# Altium PCB 2440PCBV8.PcbDoc (part 1 of 4) (continued)
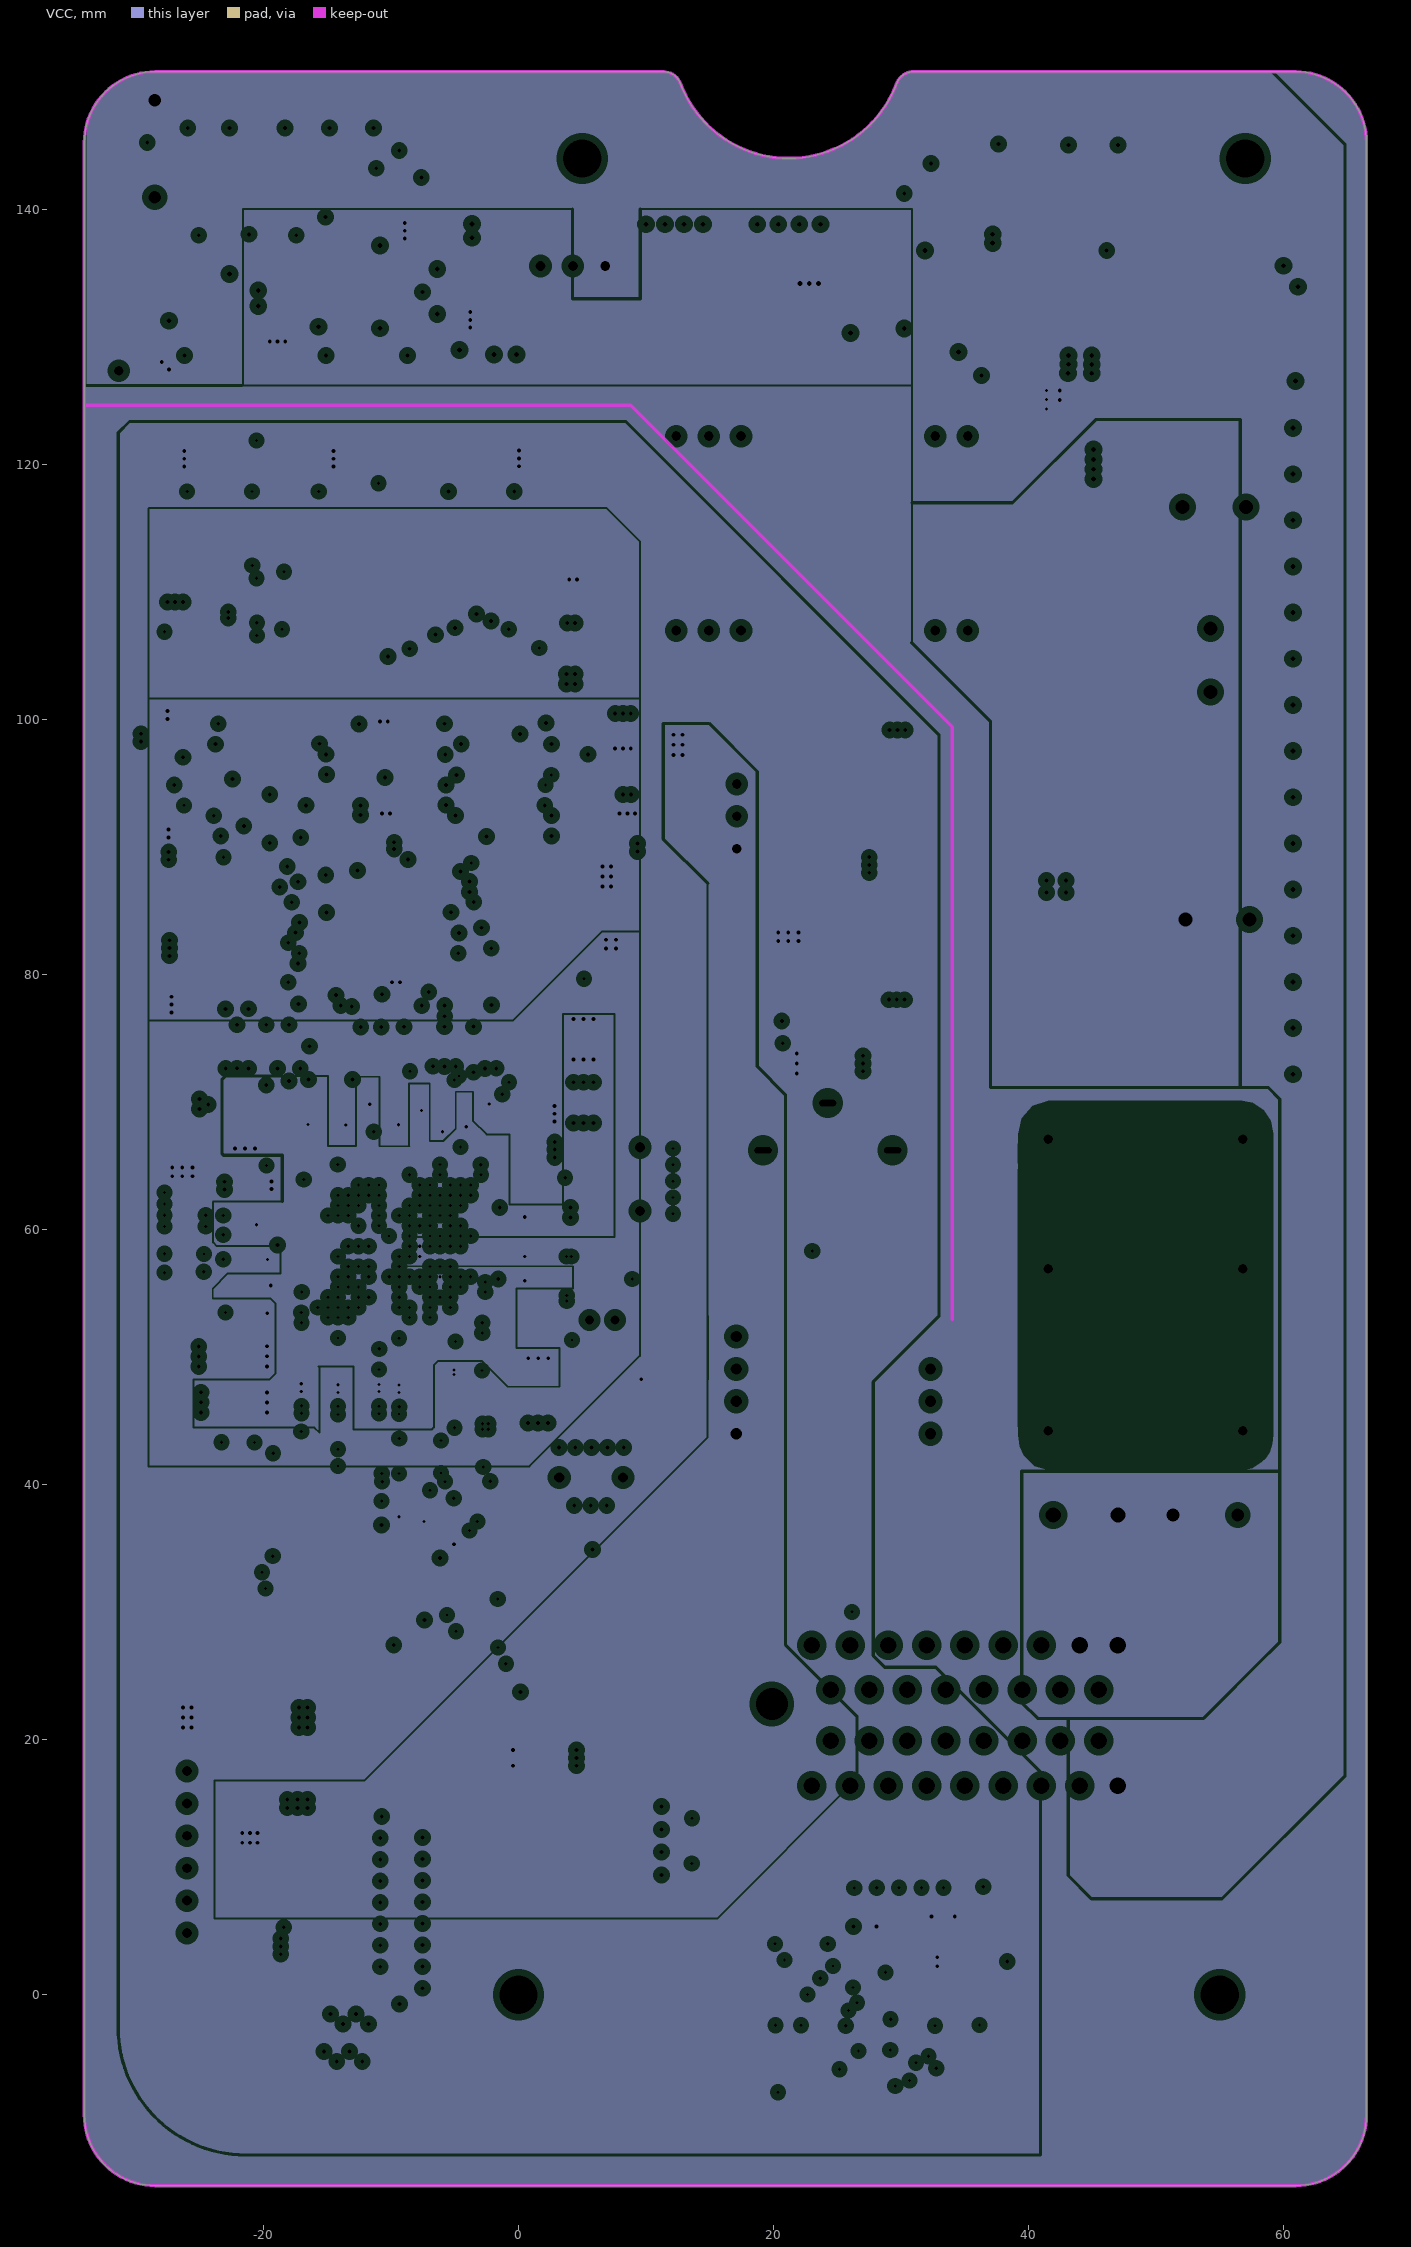
[diagram p4: VCC, clearances drawn from the general rule]
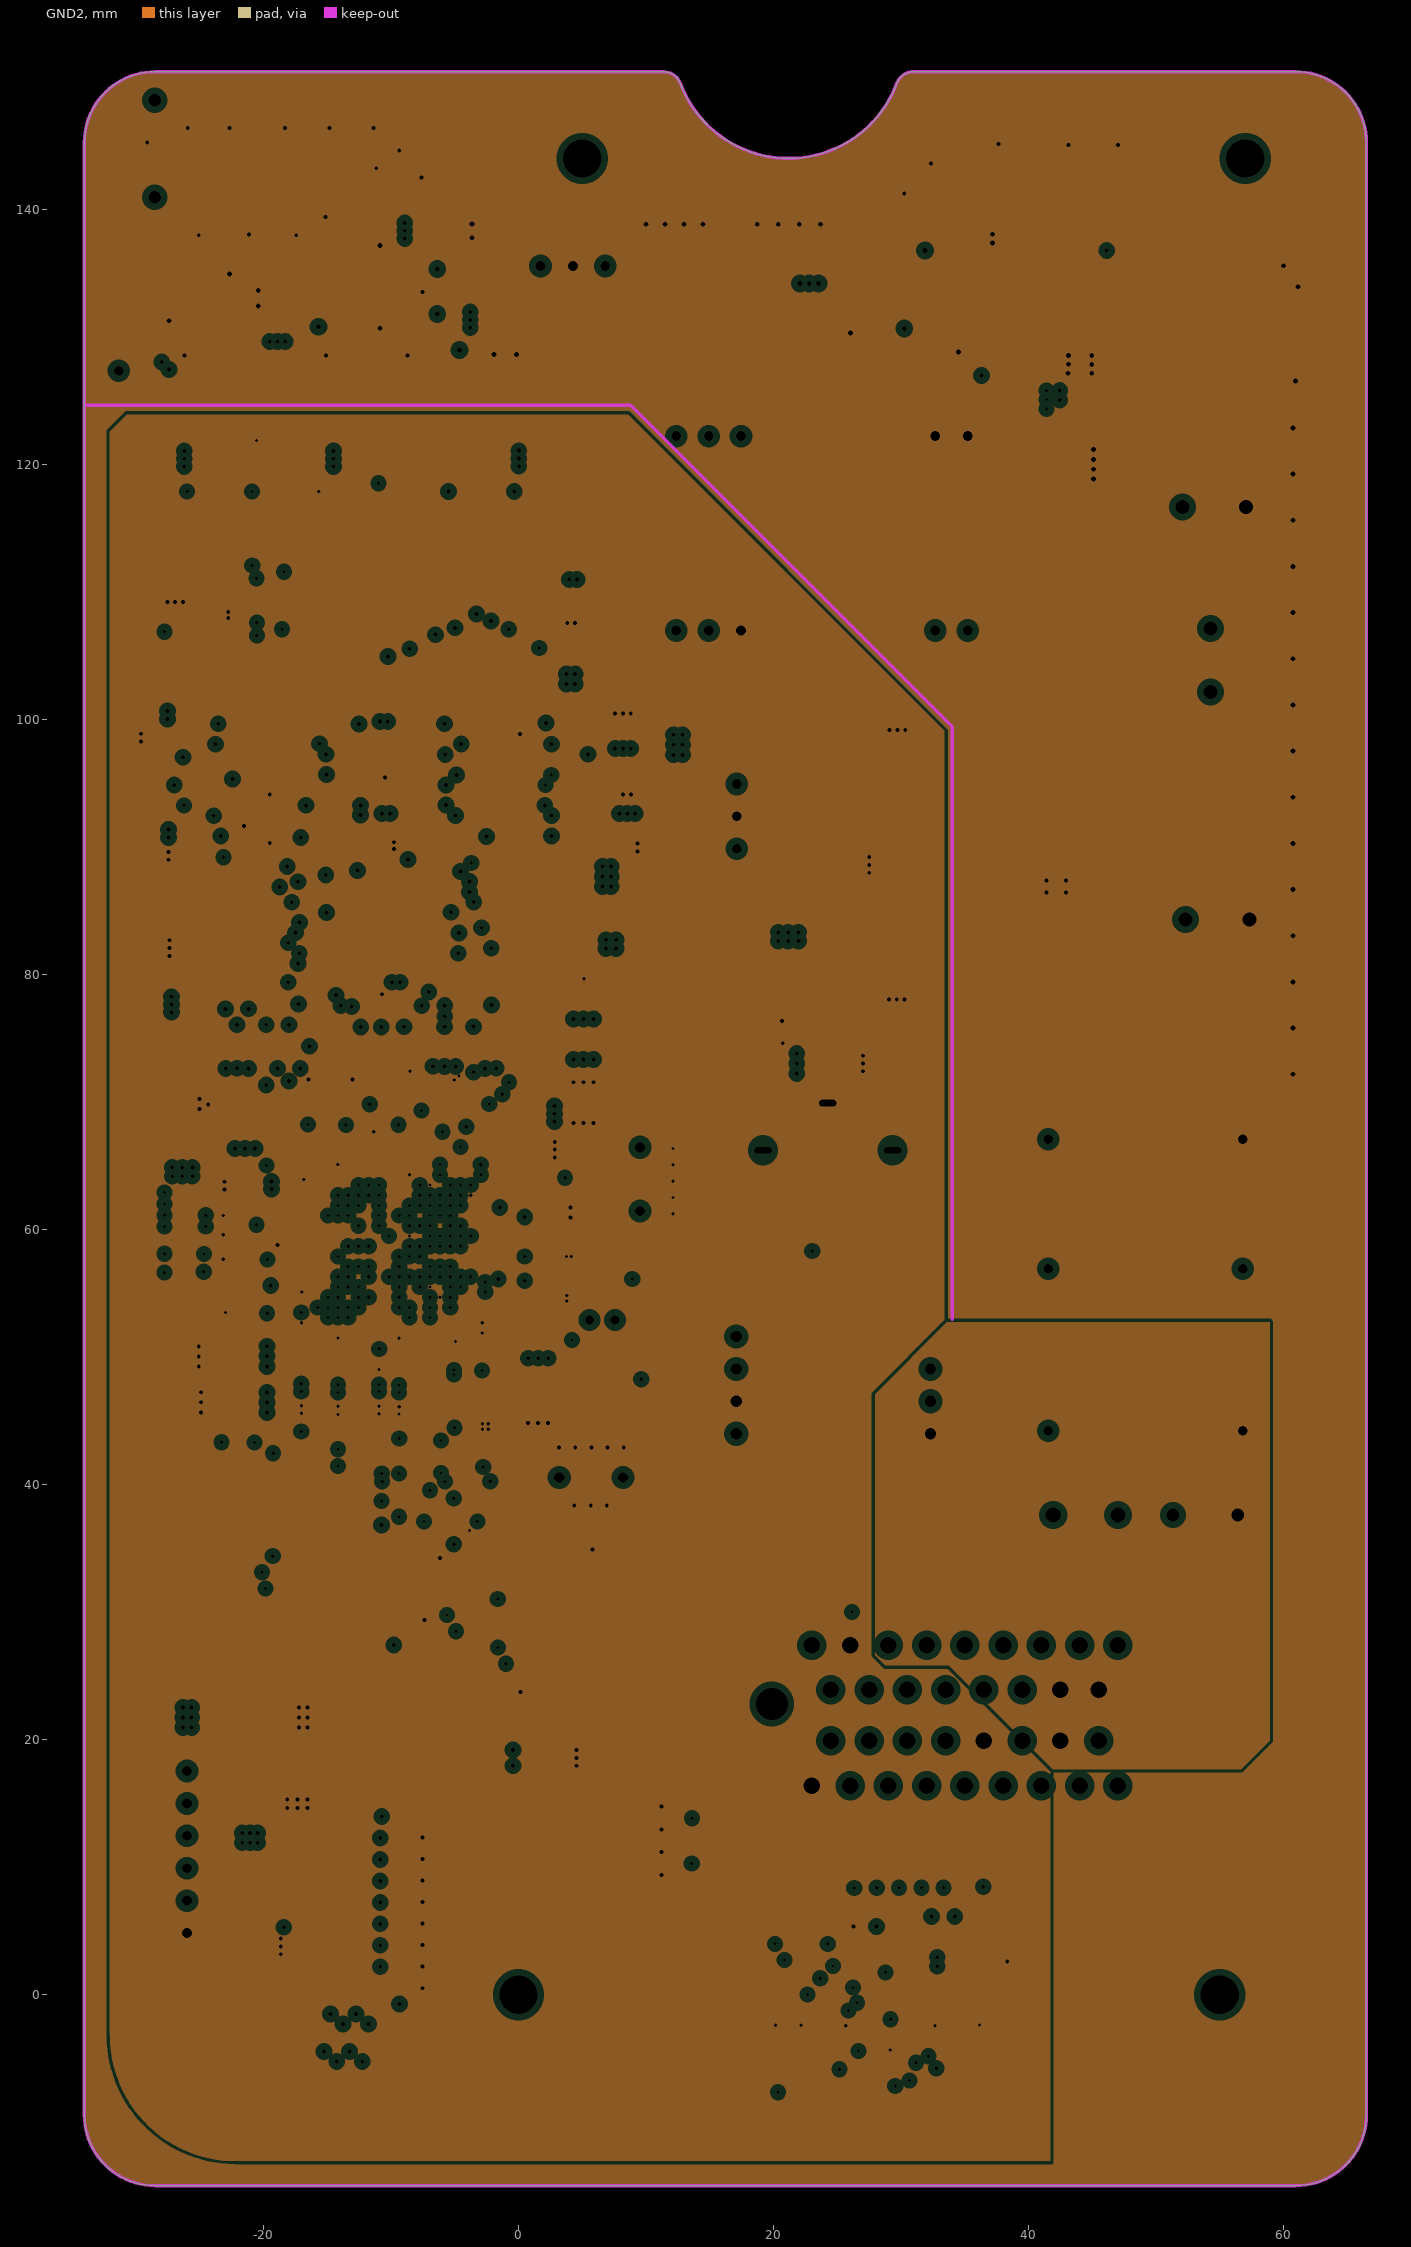
[diagram p5: GND2, clearances drawn from the general rule]
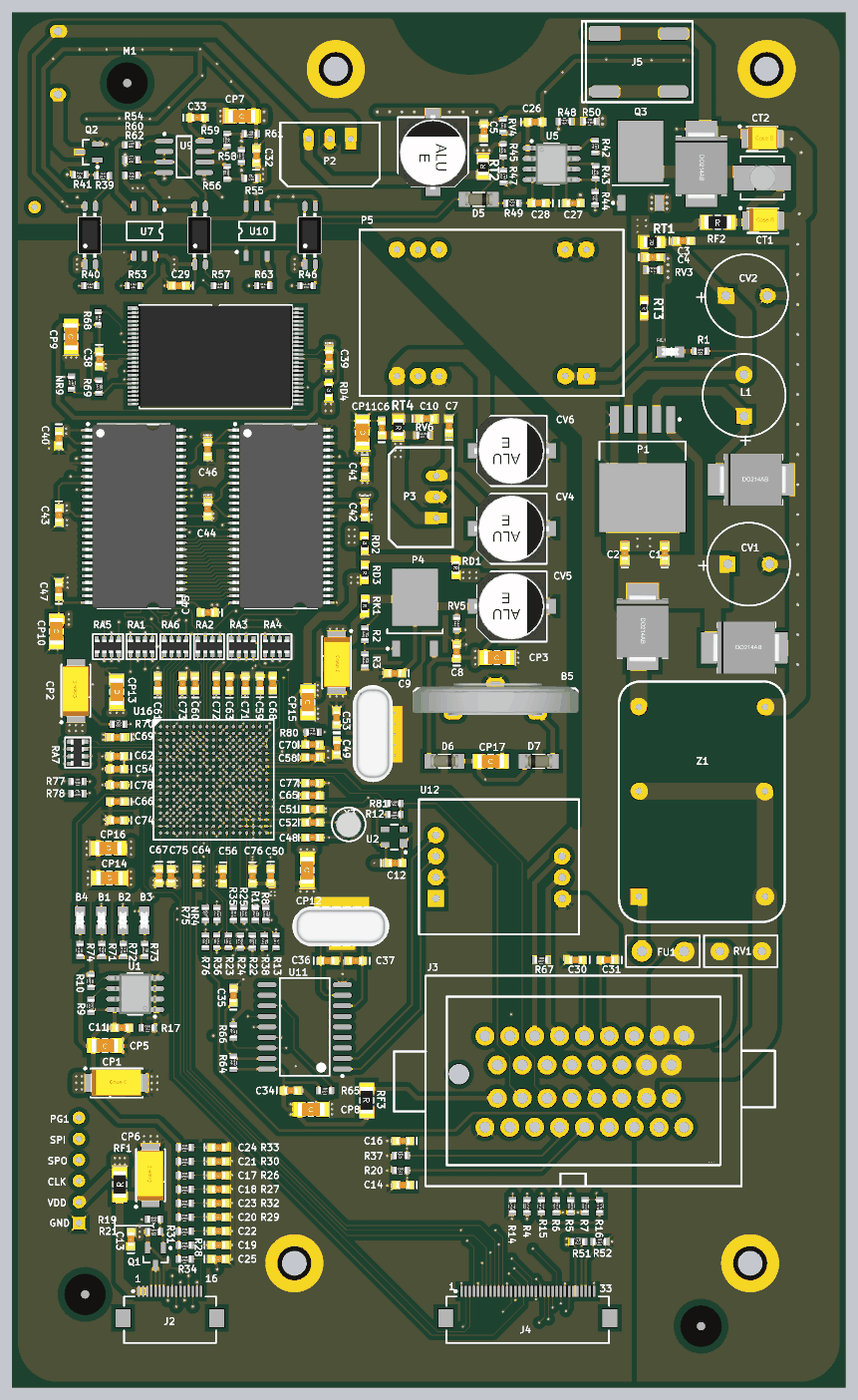
[diagram p9: 3D render of the assembled board from above, using the file's embedded part models]

## Layer stack, top to bottom
Top Layer: signal copper 0.0254
Dielectric: core 0.24, FR-4, Dk 4.8
GND1: plane copper 0.0356, net (Multiple Nets)
Dielectric: prepreg 0.46, FR-4, Dk 4.8
SIG1: signal copper 0.0254
Dielectric: core 0.36, FR-4, Dk 4.8
VCC: plane copper 0.0356, net (Multiple Nets)
Dielectric: prepreg 0.32, FR-4, Dk 4.8
GND2: plane copper 0.0356, net (Multiple Nets)
Dielectric: core 0.24, FR-4, Dk 4.8
Bottom Layer: signal copper 0.0254

## Board outline
-34.047,-9.425 -34.047,145.243 cw(c-28.491,145.243) -28.491,150.8 11.389,150.8 11.389,150.793 cw(c11.389,149.411) 12.686,149.888 12.694,149.886 ccw(c21.179,153.067) 29.696,149.971 29.701,149.969 cw(c30.963,149.428) 31.013,150.8 60.947,150.8 60.947,150.801 cw(c60.947,145.249) 66.499,145.249 66.499,-9.433 cw(c60.956,-9.433) 60.956,-14.976 60.956,-14.975 -28.498,-14.975 cw(c-28.498,-9.425)

## Design rules (kind name [scope] priority, off if disabled: settings)
Clearance Clearance_Polygn [InPolygon] p1: gap=0.55
Clearance Clearance_VCC [(InNet('VCC5V') OR InNet('VCC12V') OR InNet('VCC24V'))] p2: gap=0.305
Clearance [All] p3: gap=0.254
ComponentClearance ComponentClearance_1 [(HasFootprint('BAT600') OR HasFootprint('Buz'))] p1: gap=0 collisioncheckmode=3 verticalgap=2540 showdistances=TRUE
ComponentClearance BGA [IsBGA] p2: gap=3.048 collisioncheckmode=3 verticalgap=3.048 showdistances=TRUE
ComponentClearance 0603 [(HasFootprint('1608[0603]') OR HasFootprint('2012[0805]'))] p3: gap=0.508 collisioncheckmode=3 verticalgap=0.508 showdistances=TRUE
ComponentClearance LED [HasFootprint('LED')] p4: gap=0.508 collisioncheckmode=3 verticalgap=0.508 showdistances=TRUE
ComponentClearance 0603R [HasFootprint('0603R') vs HasFootprint('0603R')] p5: gap=0.254 collisioncheckmode=3 verticalgap=0.254 showdistances=TRUE
ComponentClearance [All] p6: gap=0.762 collisioncheckmode=3 verticalgap=0.762 showdistances=TRUE
DiffPairsRouting [All] p1: maxlimit=0.254 minlimit=0.254 mostfreqgap=0.254 maxuncoupledlength=12.7
FanoutControl Fanout_BGA [IsBGA] p1: bgadir=Out bgaviamode=Centered fanoutstyle=BGA fanoutdirection=Alternating viagrid=0.025 // Fanout_BGA (Default Rule)
MatchedLengths [All] p1: tolerance=25.4 checknetsindiffpair=TRUE checkdiffpairvsdiffpair=TRUE checkothers=TRUE
PlaneClearance [All] p1: clearance=0.508
PlaneConnect PlaneConnect_1 [Isvia] p1: planeconnectstyle=Direct reliefexpansion=0.508 reliefentries=4 reliefconductorwidth=0.254 reliefairgap=0.254
PlaneConnect [All] p2: planeconnectstyle=Relief reliefexpansion=0.508 reliefentries=4 reliefconductorwidth=0.254 reliefairgap=0.254
PolygonConnect ViaConnect [Isvia] p1: connectstyle=Direct reliefconductorwidth=0.254 reliefentries=4 polygonreliefangle="45 Angle" airgapwidth=0.254 // 过孔全连接
PolygonConnect PadConnect [IsPad] p2: connectstyle=Relief reliefconductorwidth=0.254 reliefentries=4 polygonreliefangle="45 Angle" airgapwidth=0.254 // 热焊盘
PolygonConnect [All] p3: connectstyle=Relief reliefconductorwidth=0.254 reliefentries=4 polygonreliefangle="90 Angle" airgapwidth=0.254
RoomDefinition Main [InComponentClass('Main')] p1 off: confinementstyle=ConfineIn formatcopy=TRUE lockcomponents=FALSE outline -89.699,-68.086 -38.899,-68.086 -38.899,-42.686 -89.699,-42.686
RoomDefinition 09-POWER [InComponentClass('09-POWER')] p2 off: confinementstyle=ConfineIn formatcopy=TRUE lockcomponents=FALSE outline -89.699,-68.086 -38.899,-68.086 -38.899,-42.686 -89.699,-42.686
RoomDefinition 08-INTERFACE [InComponentClass('08-INTERFACE')] p3 off: confinementstyle=ConfineIn formatcopy=TRUE lockcomponents=FALSE outline -89.699,-68.086 -38.899,-68.086 -38.899,-42.686 -89.699,-42.686
RoomDefinition 07-LCD [InComponentClass('07-LCD')] p4 off: confinementstyle=ConfineIn formatcopy=TRUE lockcomponents=FALSE outline -89.699,-68.086 -38.899,-68.086 -38.899,-42.686 -89.699,-42.686
RoomDefinition 06-RS485 [InComponentClass('06-RS485')] p5 off: confinementstyle=ConfineIn formatcopy=TRUE lockcomponents=FALSE outline -89.699,-68.086 -38.899,-68.086 -38.899,-42.686 -89.699,-42.686
RoomDefinition 05-CAN [InComponentClass('05-CAN')] p6 off: confinementstyle=ConfineIn formatcopy=TRUE lockcomponents=FALSE outline -89.699,-68.086 -38.899,-68.086 -38.899,-42.686 -89.699,-42.686
RoomDefinition 04-MEM [InComponentClass('04-MEM')] p7 off: confinementstyle=ConfineIn formatcopy=TRUE lockcomponents=FALSE outline -89.699,-68.086 -38.899,-68.086 -38.899,-42.686 -89.699,-42.686
RoomDefinition 03-CPU3 [InComponentClass('03-CPU3')] p8 off: confinementstyle=ConfineIn formatcopy=TRUE lockcomponents=FALSE outline -89.699,-68.086 -38.899,-68.086 -38.899,-42.686 -89.699,-42.686
RoomDefinition 02-CPU2 [InComponentClass('02-CPU2')] p9 off: confinementstyle=ConfineIn formatcopy=TRUE lockcomponents=FALSE outline -89.699,-68.086 -38.899,-68.086 -38.899,-42.686 -89.699,-42.686
RoomDefinition 01-CPU1 [InComponentClass('01-CPU1')] p10 off: confinementstyle=ConfineIn formatcopy=TRUE lockcomponents=FALSE outline -89.699,-68.086 -38.899,-68.086 -38.899,-42.686 -89.699,-42.686
RoutingVias BGA_Via [InBGA] p1: holewidth=0.254 width=0.457 viastyle="Through Hole" minholewidth=0.203 minwidth=0.457 maxholewidth=0.711 maxwidth=1.27 // BGA
RoutingVias RoutingVia [All] p2: holewidth=0.305 width=0.635 viastyle="Through Hole" minholewidth=0.203 minwidth=0.457 maxholewidth=0.711 maxwidth=1.27
RoutingVias [All] p3: holewidth=0.254 width=0.635 viastyle="Through Hole" minholewidth=0.254 minwidth=0.457 maxholewidth=0.711 maxwidth=1.27
SMDToPlane [All] p1: distance=1968504
SilkToSolderMaskClearance SilkscreenOverComponentPads [IsPad] p1: minsilkscreentomaskgap=0.254 clearancetoexposedcopper=TRUE
SolderMaskExpansion [All] p1: expansion=0.102
UnConnectedPin [All] p1:  // 未连接的管脚标注
Width VCC_W [(InNet('VCC5V') OR InNet('VCC12V') OR InNet('VCC24V'))] p1: maxlimit=3.81 minlimit=0.254 preferedwidth=0.508
Width [All] p2: maxlimit=3 minlimit=0.102 preferedwidth=0.152
22 further rules are at their usual default settings.

## Classes and differential pairs
from-to class ARM-RAM: LLADDR2(RA1-8:U16-B7) LLADDR3(U16-F8:RA3-7) LLADDR4(RA1-7:U16-C7) LLADDR5(RA2-6:U16-D8) LLADDR6(U16-E8:RA3-5) LLADDR7(RA1-6:U16-D7) LLADDR8(U16-G8:RA3-6) LLADDR9(RA2-5:U16-B8) LLADDR10(U16-A8:RA2-8) LLADDR11(U16-C8:RA2-7) LLADDR12(U16-B9:RA3-8) LLADDR13(RA1-5:U16-H8) LLADDR14(U16-E9:RA4-7) LLADDR24(U16-C11:RA4-8) LLADDR25(U16-G10:RA4-6) LLNSCAS(RA5-7:U16-D6) LLNSCS0(RA6-5:U16-D2) LLNSRAS(RA5-8:U16-C6) LLNWE(RA5-6:U16-E6) LLSCKE(RA6-6:U16-A2) LLSCLK0(RA6-8:U16-B4) LLSCLK1(RA6-7:U16-B3)
from-to class SDRAM: LADDR2(RA2-4:U15-23) LADDR2(U14-23:RA2-4) LADDR3(RA3-2:U14-24) LADDR3(RA3-2:U15-24) LADDR4(RA1-4:U15-25) LADDR4(U14-25:RA1-4) LADDR5(RA1-1:U15-26) LADDR5(U14-26:RA1-1) LADDR6(RA3-3:U15-29) LADDR6(U14-29:RA3-3) LADDR7(RA1-3:U14-30) LADDR7(RA1-3:U15-30) LADDR8(RA3-1:U15-31) LADDR8(U14-31:RA3-1) LADDR9(RA2-3:U15-32) LADDR9(U14-32:RA2-3) LADDR10(RA2-2:U15-33) LADDR10(U14-33:RA2-2) LADDR11(RA1-2:U14-34) LADDR11(RA1-2:U15-34) LADDR12(RA2-1:U15-22) LADDR12(U14-22:RA2-1) LADDR13(RA4-4:U15-35) LADDR13(U14-35:RA4-4) LADDR14(RA3-4:U15-36) LADDR14(U14-36:RA3-4) LADDR24(U14-20:RA4-1) LADDR24(U15-20:RA4-1) "LADDR25 (U14-21 : U15-21)" LADDR25(U15-21:RA4-3) LLADDR2(RA1-8:U16-B7) LLADDR3(U16-F8:RA3-7) LLADDR4(RA1-7:U16-C7) LLADDR5(RA2-6:U16-D8) LLADDR6(U16-E8:RA3-5) LLADDR7(RA1-6:U16-D7) LLADDR8(U16-G8:RA3-6) LLADDR9(RA2-5:U16-B8) LLADDR10(U16-A8:RA2-8) LLADDR11(U16-C8:RA2-7) LLADDR12(U16-B9:RA3-8) LLADDR13(RA1-5:U16-H8) LLADDR14(U16-E9:RA4-7) LLADDR24(U16-C11:RA4-8) LLADDR25(U16-G10:RA4-6) LLNSCAS(RA5-7:U16-D6) LLNSCS0(RA6-5:U16-D2) LLNSRAS(RA5-8:U16-C6) LLNWE(RA5-6:U16-E6) LLSCKE(RA6-6:U16-A2) LLSCLK0(RA6-8:U16-B4) LLSCLK1(RA6-7:U16-B3) LNSCAS(RA5-2:U15-17) LNSCAS(U14-17:RA5-2) LNSCS0(RA6-4:U14-19) LNSCS0(RA6-4:U15-19) LNSRAS(RA5-1:U15-18) LNSRAS(U14-18:RA5-1) LNWE(RA5-3:U15-16) LNWE(U14-16:RA5-3) LSCKE(RA6-3:U15-37) LSCKE(U14-37:RA6-3)
component class 09-POWER: C1 C2 C3 C4 C5 C6 C7 C8 C9 C10 CP1 CP2 CP3 CP4 CV1 CV2 CV3 CV4 CV5 CV6 D1 D2 D3 FU1 HL1 L1 P1 P2 P3 P4 P5 R1 R2 R3 RD1 RD2 RD3 RD4 RK1 RT1 RT2 RT3 RT4 RT15 RV1 RV2 RV3 RV4 RV5 RV6 Z1 指示灯
component class 08-INTERFACE: C11 C12 C13 C14 C16 C17 C18 C19 C20 C21 C22 C23 C24 C25 CP5 CP6 J2 J3 NR4 Q1 Q2 R4 R5 R6 R7 R8 R9 R10 R11 R12 R13 R14 R15 R16 R17 R19 R20 R21 R22 R23 R24 R25 R26 R27 R28 R29 R30 R31 R32 R33 R34 R35 R36 R37 R38 R39 R40 R41 RF1 RF3 U1 U2 U3 U4
component class 07-LCD: C26 C27 C28 CT1 CT2 D4 D5 J4 J5 L2 Q3 R42 R43 R44 R45 R46 R47 R48 R49 R50 R51 R52 RF2 U5 U6
component class 06-RS485: C29 C30 C31 C32 C33 CP7 R53 R54 R55 R56 R57 R58 R59 R60 R61 R62 R63 U7 U8 U9 U10
component class 05-CAN: C34 C35 C36 C37 CP8 R64 R65 R66 R67 U11 U12 X1
component class 04-MEM: C38 C39 C40 C41 C42 C43 C44 C45 C46 C47 CP9 CP10 CP11 NR9 R68 R69 U13 U14 U15
component class 03-CPU3: B5 C54 C56 C58 C59 C60 C61 C62 C63 C64 C65 C66 C67 C68 C69 C70 C71 C72 C73 C74 C75 C76 C77 C78 CP12 CP13 CP14 CP15 CP16 CP17 D6 D7 R80 R81
component class 02-CPU2: R75 R76 R77 R78 RA5 RA6 RA7
component class 01-CPU1: B1 B2 B3 B4 C48 C49 C50 C51 C52 C53 R70 R71 R72 R73 R74 RA1 RA2 RA3 RA4 U16 X2 X3
component class Main: M1 M2 M3
differential pair RS: +RS_P -RS_N
differential pair CAN: +CAN_P -CAN_N

## Components (designator, comment, footprint, x,y, rotation, side; value= is the part's Value field where it differs from the comment)
B1 "GREEN" LED0805 -23.289,41.351 r90 top
B2 "GREEN" LED0805 -20.696,41.351 r90 top
B3 "GREEN" LED0805 -18.102,41.351 r90 top
B4 "GREEN" LED0805 -25.883,41.351 r90 top
B5 "BATTERY" BR2032-1GV 19.177,66.218 r0 top
C1 "0.1uF" 1608[0603] 44.704,85.598 r90 top
C2 "0.1uF" 1608[0603] 39.878,85.598 r90 top
C3 "0.1uF" 1608[0603] 46.938,123.292 r0 top
C4 "0.1uF" 1608[0603] 43.256,121.31 r0 top
C5 "0.1uF" 1608[0603] 22.875,136.537 r90 top
C6 "0.1uF" 1608[0603] 10.541,100.711 r90 top
C7 "0.1uF" 1608[0603] 18.669,100.965 r90 top
C8 "0.1uF" 1608[0603] 19.583,73.762 r90 top
C9 "0.1uF" 1608[0603] 12.116,71.147 r180 top
C10 "0.1uF" 1608[0603] 15.963,101.854 r0 top
C11 "0.1uF" 1608[0603] -20.828,28.399 r0 top
C12 "0.1uF" 1608[0603] 12.167,48.26 r0 top
C13 "0.1uF" 1608[0603] -19.71,2.896 r90 top
C14 "330pF" 1608[0603] 13.093,9.435 r180 top
C16 "330pF" 1608[0603] 13.093,14.754 r180 top
C17 "0.1uF" 1608[0603] -9.144,10.604 r0 top
C18 "0.1uF" 1608[0603] -9.144,8.922 r0 top
C19 "0.1uF" 1608[0603] -9.144,2.191 r0 top
C20 "0.1uF" 1608[0603] -9.144,5.556 r0 top
C21 "0.1uF" 1608[0603] -9.144,12.287 r0 top
C22 "0.1uF" 1608[0603] -9.144,3.873 r0 top
C23 "0.1uF" 1608[0603] -9.144,7.239 r0 top
C24 "0.1uF" 1608[0603] -9.144,13.97 r0 top
C25 "0.1uF" 1608[0603] -9.144,0.508 r0 top
C26 "0.1uF" 1608[0603] 29.047,137.617 r0 top
C27 "0.1uF" 1608[0603] 33.655,127.813 r0 top
C28 "0.1uF" 1608[0603] 29.478,127.838 r180 top
C29 "0.1uF" 1608[0603] -13.941,117.88 r180 top
C30 "330pF" 1608[0603] 33.933,36.576 r180 top
C31 "330pF" 1608[0603] 37.821,36.576 r180 top
C32 "0.1uF" 1608[0603] -4.597,133.553 r90 top
C33 "0.1uF" 1608[0603] -11.696,138.151 r0 top
C34 "0.1uF" 1608[0603] -0.418,20.828 r0 top
C35 "0.1uF" 1608[0603] -7.368,32.283 r90 top
C36 "22pF" 1608[0603] 4.039,36.474 r0 top
C37 "22pF" 1608[0603] 7.391,36.474 r180 top
C38 "0.1uF" 1608[0603] -23.546,109.042 r270 top
C39 "0.1uF" 1608[0603] 4.191,109.271 r270 top
C40 "0.1uF" 1608[0603] -28.423,99.466 r270 top
C41 "0.1uF" 1608[0603] 8.509,95.758 r270 top
C42 "0.1uF" 1608[0603] 8.49,90.83 r270 top
C43 "0.1uF" 1608[0603] -28.423,90.199 r270 top
C44 "0.1uF" 1608[0603] -10.465,90.932 r270 top
C45 "0.1uF" 1608[0603] -10.439,78.461 r180 top
C46 "0.1uF" 1608[0603] -10.465,98.146 r270 top
C47 "0.1uF" 1608[0603] -28.423,81.229 r90 top
C48 "22pF" 1608[0603] 2.21,51.333 r0 top
C49 "22pF" 1608[0603] 5.131,62.179 r270 top
C50 "2n7" 1608[0603] -2.87,46.711 r270 top
C51 "680pF" 1608[0603] 2.21,54.762 r0 top
C52 "22pF" 1608[0603] 2.21,53.162 r0 top
C53 "22pF" 1608[0603] 5.105,65.761 r90 top
C54 "100nF" 1608[0603] -21.381,59.602 r180 top
C56 "100nF" 1608[0603] -8.599,46.66 r270 top
C58 "100nF" 1608[0603] 2.189,60.999 r0 top
C59 "100nF" 1608[0603] -4.148,69.932 r90 top
C60 "100nF" 1608[0603] -11.963,69.926 r90 top
C61 "100nF" 1608[0603] -16.479,69.919 r90 top
C62 "100nF" 1608[0603] -21.412,61.138 r180 top
C63 "100nF" 1608[0603] -7.83,69.907 r90 top
C64 "100nF" 1608[0603] -11.786,46.711 r270 top
C65 "100nF" 1608[0603] 2.197,56.388 r0 top
C66 "100nF" 1608[0603] -21.361,55.677 r180 top
C67 "100nF" 1608[0603] -16.339,46.717 r270 top
C68 "100nF" 1608[0603] -2.597,69.958 r90 top
C69 "100nF" 1608[0603] -21.381,63.442 r180 top
C70 "100nF" 1608[0603] 2.189,62.54 r0 top
C71 "100nF" 1608[0603] -5.925,69.932 r90 top
C72 "100nF" 1608[0603] -9.417,69.919 r90 top
C73 "100nF" 1608[0603] -13.49,69.926 r90 top
C74 "100nF" 1608[0603] -21.381,53.409 r180 top
C75 "100nF" 1608[0603] -14.884,46.685 r270 top
C76 "100nF" 1608[0603] -5.055,46.66 r270 top
C77 "100nF" 1608[0603] 2.189,57.918 r0 top
C78 "100nF" 1608[0603] -21.381,57.681 r180 top
CP1 "10uF/25V" 6032 -21.438,21.742 r0 top
CP2 "10uF/25V" 6032 -26.365,69.037 r90 top
CP3 "10uF/16V" 3216[1206] 24.46,73.025 r0 top
CP4 "10uF/25V" 6032 5.105,72.441 r270 top
CP5 "10uF/16V" 3216[1206] -22.836,26.238 r0 top
CP6 "10uF/25V" 6032 -17.348,10.604 r90 top
CP7 "10uF/16V" 3216[1206] -6.325,138.328 r0 top
CP8 "10uF/16V" 3216[1206] 2.007,18.567 r0 top